# Altium PCB Drive_Foc.PcbDoc (part 2 of 3)
Units mil, origin at the board's own origin, x right, y up, seen from the top; angles counter-clockwise.
Board outline 3109 x 2220 mil, 4 copper layers (Top Layer, GND, PWR, Bottom Layer), stack 23.756 mil thick; 209 components, 159 nets, 774 pads, 692 vias.
Unrouted connection lines stored in the file: 55.
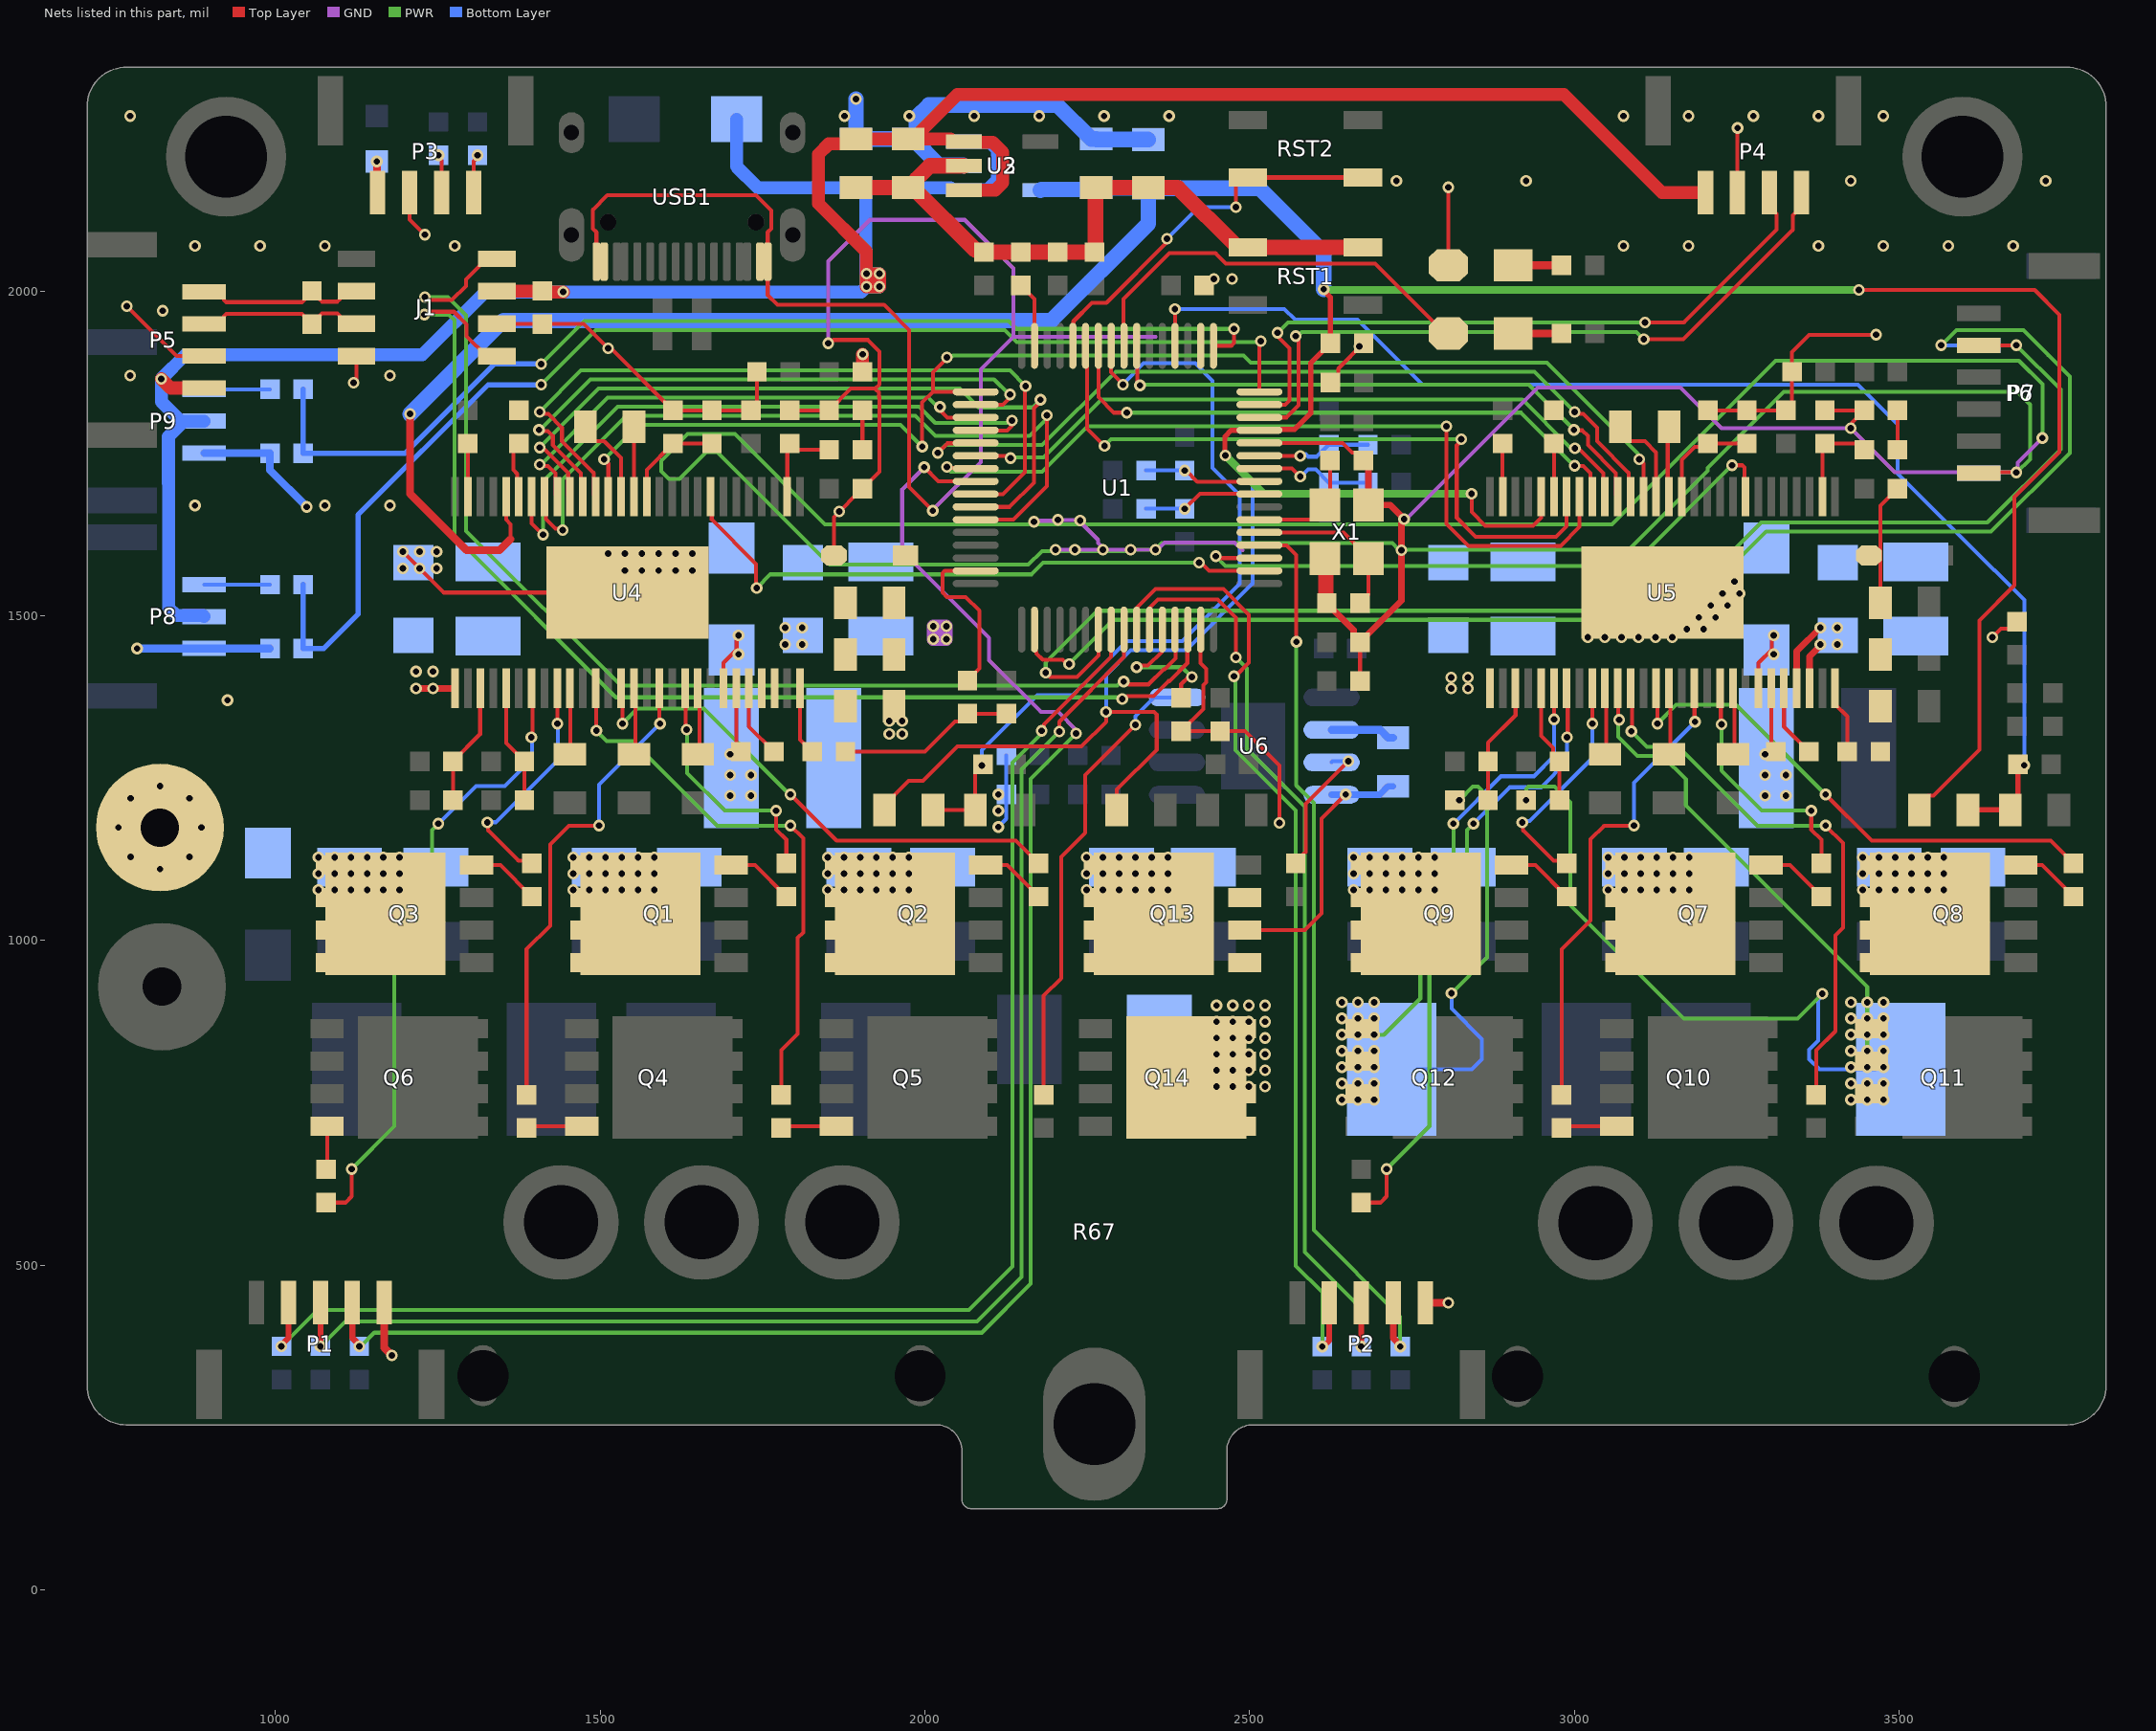
[diagram p4: the nets of this part, all layers, seen from the top]

## Via types
v1: diameter 18, hole 10, Top Layer to Bottom Layer, tented both sides, 692 vias

## Nets (pads, with @x,y where several pads share a name; then routed paths per layer and width w, separated by ;. In a path a pad name is that pad's centre, name@x,y a point inside that pad or via, vN(x,y) a via of type N, cw(c..) or ccw(c..) an arc to the next point about the centre after c; other vN are vias at no path point) (continued)
AVCC3V3: C9.2 C36.2 C37.2 R28.2 R48.2 R66.2 U1.13 U3.5 U4.24 U5.24 | length 6437.8
  Top Layer w6: U4.24@1354.99,1683.64 1354.99,1648.18 1362,1641.17 1362,1618 ; R28.2@1937.52,1201.26 1937.52,1208.76 1952.02,1223.26 1952.41,1223.26 1975.15,1246 1997.13,1246 2050.21,1299.08 2241.12,1299.08 2279,1336.96 v1(2279,1352) 2353,1352 2357,1348 2357,1294 2295.6,1232.6 R66.2@2295.6,1201.26 ; v1(2842,1688) 2842,1659.92 2862.92,1639 2936.64,1639 2948.99,1651.35 U5.24@2948.99,1683.64 ; v1(3438.28,2001.85) 3709.15,2001.85 3747,1964 3747,1752 3678,1683 3678,1547 3624,1493 3624,1293.74 3553.14,1222.88 3546.02,1222.88 3531.52,1208.38 R48.2@3531.52,1201.26
  Top Layer w8: v1(2462.86,1747.04) 2462,1747.9 2462,1776.07 2471.92,1785.99 U1.13@2515.2,1785.99 2516.17,1786.95 2568.95,1786.95 2594,1812 2594,1889.46 C9.2@2624.55,1920 2624.55,1990.45 2614,2001 v1(2614,2003)
  Top Layer w12: v1(1207,1811) 1207,1688 1294,1601 1345,1601 1362,1618
  PWR w12: v1(2462.86,1747.04) 2521.9,1688 v1(2842,1688) ; v1(2614,2003) 2615,2002 3438.14,2002 v1(3438.28,2001.85)
  Bottom Layer w6: v1(2279,1352) 2279,1409.2 2316.8,1447 2402,1447 2505,1550 2505,1704.9 v1(2462.86,1747.04)
  Bottom Layer w24: v1(1207,1811) 1351,1955 2195,1955 2344,2104 C36.2@2344,2158.6 ; U3.5@2178.06,2155.6 2179.23,2156.77 2261.17,2156.77 C37.2@2264,2159.6 2264.5,2159.1 2343.5,2159.1 C36.2@2344,2158.6 ; v1(2614,2003) 2614,2060 2515.4,2158.6 C36.2@2344,2158.6
BOOT0_1: R4.2 U1.60 | length 216.6
  Top Layer w6: v1(2326,1421) 2328.3,1423.3 2343.49,1423.3 2364.64,1444.45 2364.64,1477.95 U1.60@2365.6,1478.91 ; R4.2@2394.56,1373.58 2394.56,1394.56 2406,1406 v1(2411,1406)
  PWR w6: v1(2326,1421) 2395.95,1421 v1(2411,1406)
CAN_1_N: J1.7 P5.2 R9.1 | length 265.3
  Top Layer w6: P5.2@889.99,1949.61 911.65,1949.61 920.46,1958.42 920.46,1961.7 923.97,1965.21 1040.49,1965.21 1044,1961.7 1044,1961.41 R9.1@1056,1949.41 1068,1961.41 1068,1962.48 1071.52,1966 1094.95,1966 1098.46,1962.48 1098.46,1959.8 1108.26,1950 J1.7@1124.46,1950
CAN_1_P: J1.6 P5.1 R9.2 | length 266.9
  Top Layer w6: P5.1@889.99,1998.82 911.65,1998.82 920.46,1990.01 920.46,1986.73 923.97,1983.21 1040.49,1983.21 1044,1986.73 1044,1988.59 R9.2@1056,2000.59 1068,1988.59 1068,1987.51 1071.52,1984 1094.95,1984 1098.46,1987.51 1098.46,1990.2 1108.26,2000 J1.6@1124.46,2000
CAN_T_1_N: J1.1 U1.62 | length 1842.6
  Top Layer w6: v1(1229,1964) 1232.25,1964 1236.75,1968.5 1274.5,1968.5 1294,1949 1294,1930.79 1324.8,1900 J1.1@1341,1900 ; v1(2304,1372) 2307.25,1372 2311.75,1376.5 2351.92,1376.5 2375,1399.58 2376.3,1399.58 2404.13,1427.41 2404.13,1478.06 U1.62@2404.97,1478.91
  PWR w6: v1(1229,1964) 1266.97,1964 1275.49,1955.48 1275.49,1623.38 1524.31,1374.56 2294.49,1374.56 2294.75,1374.3 2301.7,1374.3 v1(2304,1372)
CAN_T_1_P: J1.4 U1.61 | length 1809.3
  Top Layer w6: v1(1230,1991) 1233.25,1991 1237.75,1986.5 1271.5,1986.5 1293,2008 1293,2018.2 1324.8,2050 J1.4@1341,2050 ; v1(2306,1399) 2309.25,1399 2313.75,1394.5 2344.46,1394.5 2367.54,1417.58 2368.84,1417.58 2386.13,1434.87 2386.13,1478.06 U1.61@2385.28,1478.91
  PWR w6: v1(1230,1991) 1265.43,1991 1293.49,1962.94 1293.49,1630.84 1531.77,1392.56 2296.31,1392.56 2302.75,1399 v1(2306,1399)
DCBUS: C20.2 C21.2 C22.2 C23.2 C24.2 C25.2 C26.2 C27.2 C28.2 C29.2 C30.2 C31.2 C32.2 C33.2 C42.1 C43.1 C60.2 C61.2 C65.1 C66.1 C84.2 C85.2 Q1.5 Q1.6 Q1.7 Q1.8 Q2.5 Q2.6 Q2.7 Q2.8 Q3.5 Q3.6 Q3.7 Q3.8 Q7.5 Q7.6 Q7.7 Q7.8 Q8.5 Q8.6 Q8.7 Q8.8 Q9.5 Q9.6 Q9.7 Q9.8 Q13.5 Q13.6 Q13.7 Q13.8 R14.1 SP1.0 TVS1.1 U4.29 U4.53 U4.54 U5.29 U5.53 U5.54 | length 291.9
  Top Layer w6: v1(3644,1467) 3657.12,1480.12 3670.94,1480.12 R14.1@3682,1491.18
  Top Layer w10: v1(1216.37,1388.37) U4.29@1276.25,1388.37 ; U5.53@3342.69,1388.37 3342.69,1445.69 v1(3379,1482) ; U5.54@3362.38,1388.37 3362.38,1437.38 v1@3381,1456
  other v1: 1066,1078 1091,1078 1116,1078 1141,1078 1166,1078 1191,1078 1458.15,1078 1483.15,1078 1508.15,1078 1533.15,1078 1558.15,1078 1583.15,1078 1850.29,1078 1875.29,1078 1900.29,1078 1925.29,1078 1950.29,1078 1975.29,1078 2249.15,1078 2274.15,1078 2299.15,1078 2324.15,1078 2349.15,1078 2374.15,1078 2660,1078 2685,1078 2710,1078 2735,1078 2760,1078 2785,1078 3052.15,1078 3077.15,1078 3102.15,1078 3127.15,1078 3152.15,1078 3177.15,1078 3444.29,1078 3469.29,1078 3494.29,1078 3519.29,1078 3544.29,1078 3569.29,1078 1066,1103 1091,1103 1116,1103 1141,1103 1166,1103 1191,1103 1458.15,1103 1483.15,1103 1508.15,1103 1533.15,1103 1558.15,1103 1583.15,1103 1850.29,1103 1875.29,1103 1900.29,1103 1925.29,1103 1950.29,1103 1975.29,1103 2249.15,1103 2274.15,1103 2299.15,1103 2324.15,1103 2349.15,1103 2374.15,1103 2660,1103 2685,1103 2710,1103 2735,1103 2760,1103 2785,1103 3052.15,1103 3077.15,1103 3102.15,1103 3127.15,1103 3152.15,1103 3177.15,1103 3444.29,1103 3469.29,1103 3494.29,1103 3519.29,1103 3544.29,1103 3569.29,1103 822,1110.02 1066,1128 1091,1128 1116,1128 1141,1128 1166,1128 1191,1128 1458.15,1128 1483.15,1128 1508.15,1128 1533.15,1128 1558.15,1128 1583.15,1128 1850.29,1128 1875.29,1128 1900.29,1128 1925.29,1128 1950.29,1128 1975.29,1128 2249.15,1128 2274.15,1128 2299.15,1128 2324.15,1128 2349.15,1128 2374.15,1128 2660,1128 2685,1128 2710,1128 2735,1128 2760,1128 2785,1128 3052.15,1128 3077.15,1128 3102.15,1128 3127.15,1128 3152.15,1128 3177.15,1128 3444.29,1128 3469.29,1128 3494.29,1128 3519.29,1128 3544.29,1128 3569.29,1128 776.76,1128.76 867.24,1128.76 758.02,1174 885.98,1174 776.76,1219.24 867.24,1219.24 822,1237.98 1242.37,1388.37 2810.37,1388.37 2836.37,1388.37 2810.37,1405 2836.37,1405 1216.37,1414.37 1242.37,1414.37 1785,1456 1811,1456 3379,1456 3405,1456 1785,1482 1811,1482 3405,1482
DRV5V: C4.1 C15.2 C16.2 C34.2 C35.2 C47.2 C48.2 C49.2 D1.1 D3.1 J1.3 L1.2 P4.4 P5.4 P8.2 P9.2 R26.1 U2.1 U2.3 U3.1 U3.3 | length 4714
  Top Layer w20: v1(824,1865) 838,1851 889.81,1851 P5.4@889.99,1851.18 ; J1.3@1341,2000 1341.3,2000.3 1410.7,2000.3 C4.1@1411,2000.59 1412.59,1999 v1(1443,1999) ; R26.1@1903.77,1876 1904,1876.23 v1(1904,1903) ; U2.3@2059.94,2155.68 2108.28,2155.68 2120,2167.39 2120,2214 2104.35,2229.65 2060.77,2229.65 U2.1@2059.94,2230.48 2043.21,2230.48 2039.29,2234.4 C16.2@1981.5,2234.4 ; P4.4@3202.18,2152.01 3134.99,2152.01 2984,2303 2050.1,2303 C16.2@1981.5,2234.4 ; v1(1910,2027) v1(1910,2007) v1(1930,2007) v1(1930,2027) v1(1910,2027) ; v1(1910,2027) 1910,2061 1836,2135 1836,2211 1851.9,2226.9 1886.5,2226.9 C15.2@1894,2234.4 C16.2@1974,2234.4 C16.2@1981.5,2234.4
  GND w20: v1(2013,1464) v1(2033,1464) v1(2033,1484) v1(2013,1484) v1(2013,1464)
  Bottom Layer w20: P8.2@889.99,1499 888.18,1500.81 846.87,1500.81 835.16,1512.53 835.16,1704.88 835,1705.04 835,1776 P9.2@858.79,1799.79 ; P9.2@889.99,1799.79 P9.2@858.79,1799.79 ; D1.1@1709.74,2265 1709.74,2192.26 1742.4,2159.6 C34.2@1894,2159.6 C34.2@1901.5,2159.6 ; v1(1930,2007) v1(1910,2007) ; v1(1930,2027) v1(1910,2027) ; U3.3@2059.94,2230.4 2060.77,2229.57 2100.28,2229.57 2112,2217.86 2112,2172 2096.43,2156.43 2060.77,2156.43 U3.1@2059.94,2155.6 2043.21,2155.6 2039.21,2159.6 C35.2@1974,2159.6 1909,2159.6 C34.2@1901.5,2159.6 ; P9.2@858.79,1799.79 854.21,1799.79 824,1830 v1(824,1865) 861,1902 1226,1902 1323,1999 1902,1999 v1(1910,2007) ; C34.2@1901.5,2159.6 1909,2152.1 1909,2028 v1(1910,2027) ; v1(1910,2007) v1(1910,2027)
  other v1: 1945,1318 1965,1318 1945,1338 1965,1338
DS1_N: Q11.1 Q11.2 Q11.3 R51.2 R61.2 U5.39 | length 1689.4
  Top Layer w6: U5.39@3067.15,1388.42 3067.55,1388.02 3067.55,1341.4 v1(3069,1339.95)
  PWR w6: v1(2925.99,1216) 2925.99,1233.49 2929.51,1237 2969.54,1237 2994,1212.54 2994,1054.54 3168.54,880 3344,880 v1(3382,918) ; v1(3069,1339.95) 3068,1338.95 3068,1313.91 3097.32,1284.6 3135.69,1284.6 3172,1248.28 3172,1208 3451.29,928.71 v1(3451.29,905) v1(3451.29,880) v1(3451.29,855) v1(3451.29,830)
  Bottom Layer w6: v1(3382,918) 3382,914.75 3376,908.75 3376,846 3362,832 3362,817 3377.64,801.36 R61.2@3463.63,801.36
  other v1: 3426.29,755 3451.29,755 3476.29,755 3426.29,780 3451.29,780 3476.29,780 3426.29,805 3451.29,805 3476.29,805 3426.29,830 3476.29,830 3426.29,855 3476.29,855 3426.29,880 3476.29,880 3426.29,905 3476.29,905
DS2_N: Q12.1 Q12.2 Q12.3 R54.2 R62.2 U5.34 | length 1301.4
  Top Layer w6: R54.2@2813.99,1214 R54.2@2815.99,1216 ; U5.34@2968.68,1388.37 2968.84,1388.22 2968.84,1340.84 v1(2968.99,1340.68)
  PWR w6: v1(2692,855) 2707,855 2763,911 2763,1018.8 2814,1069.8 v1(2814,1180) ; v1(2811,919) 2866,974 2866,1222.54 2851.54,1237 2844,1237 v1(2823,1216)
  Bottom Layer w6: R62.2@2758.08,801.36 2842.07,801.36 2858,817.29 2858,848 2811,895 v1(2811,919) ; v1(2814,1180) 2887,1253 2938,1253 2968.99,1283.99 v1(2968.99,1340.68)
  other v1: 2642,755 2667,755 2692,755 2642,780 2667,780 2692,780 2642,805 2667,805 2692,805 2642,830 2667,830 2692,830 2642,855 2667,855 2642,880 2667,880 2692,880 2642,905 2667,905 2692,905
EN_GATE_1: U1.33 U4.16 U5.16 | length 2002.4
  Top Layer w6: v1(1506,1741) 1512.47,1734.53 U4.16@1512.47,1683.64 ; v1(1995.77,1760.7) 1995.77,1828.77 2012.2,1845.2 ; v1(2034,1898) 2034,1897 2012.2,1875.2 2012.2,1845.2 ; U1.33@2078.2,1845.05 2078.05,1845.2 2012.2,1845.2 ; v1(3100,1741) 3106.47,1734.53 U5.16@3106.47,1683.64
  PWR w6: v1(1506,1741) 1559,1794 1962.47,1794 v1(1995.77,1760.7) ; v1(2034,1898) 2036.3,1900.3 2042.81,1900.3 2043.51,1901 2490.62,1901 2501.62,1890 2958,1890 3097.7,1750.3 3097.7,1743.3 v1(3100,1741)
G_HO: R65.1 U6.3 | length 217.1
  Top Layer w6: R65.1@2571,1118.77 2583,1130.77 2583,1133 2586.5,1136.5 2586.5,1210.5 v1(2652,1276)
  Bottom Layer w6: U6.3@2626.31,1274.5 2627.81,1276 v1(2652,1276)
G_HS: C86.1 Q13.1 Q13.2 Q13.3 Q14.5 Q14.6 Q14.7 Q14.8 R67.2 U6.4 | length 428.4
  Top Layer w6: Q13.2@2492.56,1016 2585,1016 2611,1042 2611,1188 v1(2648,1225)
  Bottom Layer w10: U6.4@2626.31,1224.5 U6.4@2647.5,1224.5 ; v1(2648,1225) U6.4@2647.5,1224.5 ; C86.1@2721,1237.6 2713.5,1237.6 2700.4,1224.5 U6.4@2647.5,1224.5
  other v1: 2449,775 2474,775 2499,775 2524,775 2449,800 2474,800 2499,800 2524,800 2449,825 2474,825 2499,825 2524,825 2449,850 2474,850 2499,850 2524,850 2449,875 2474,875 2499,875 2524,875 2449,900 2474,900 2499,900 2524,900
G_LO: R68.1 U6.8 | length 717.8
  Top Layer w6: R68.1@2183,762.41 2183,915 2210,942 2210,1129 2247,1166 2247,1255 v1(2324,1332)
  Bottom Layer w6: v1(2324,1332) 2324,1345.55 2352.95,1374.5 U6.8@2388.31,1374.5
GH0_A: R36.1 U4.47 | length 380.5
  Top Layer w6: U4.47@1630.58,1388.37 1631.76,1387.28 1631.76,1326.24 v1(1633,1325) ; v1(1771,1200) 1771,1170.72 1786.63,1155.08 R36.1@1786.63,1118.77
  PWR w6: v1(1633,1325) 1634,1324 1634,1258 1692,1200 v1(1771,1200)
GH0_B: R37.1 U4.42 | length 804.3
  Top Layer w6: U4.42@1532.16,1388.37 1534.26,1386.36 1534.26,1342.74 1534.14,1342.63 v1(1534.14,1334.05) ; v1(1793,1225) 1864,1154 2139.76,1154 R37.1@2174.99,1118.77
  PWR w6: v1(1534.14,1334.05) 1557.09,1357 1659.75,1357 1791.75,1225 v1(1793,1225)
GH0_C: R38.1 U4.37 | length 360.7
  Top Layer w6: v1(1326,1182) 1327.23,1180.77 1327.23,1169.77 1374,1123 1390.25,1123 R38.1@1394.48,1118.77 ; U4.37@1433.73,1388.37 1433.86,1388.24 1433.86,1334.27 v1(1434,1334.14)
  Bottom Layer w6: v1(1326,1182) 1326.23,1182.23 1339.23,1182.23 1434.86,1277.86 1434.86,1333.27 v1(1434,1334.14)
GH1_A: R55.1 U5.47 | length 379
  Top Layer w6: U5.47@3224.58,1388.37 3225.77,1387.28 3225.77,1334.18 v1(3226.9,1333.05) ; v1(3365,1200) 3365,1170.72 3380.63,1155.08 R55.1@3380.63,1118.77
  PWR w6: v1(3226.9,1333.05) 3226.9,1261.82 3288.72,1200 v1(3365,1200)
GH1_B: R56.1 U5.42 | length 809.3
  Top Layer w6: U5.42@3126.16,1388.37 3128.26,1386.36 3128.26,1342.74 3128.14,1342.63 v1(3128.14,1334.05) ; v1(3387,1225) 3458,1154 3733.76,1154 R56.1@3768.99,1118.77
  PWR w6: v1(3128.14,1334.05) 3157.09,1363 3249,1363 v1(3387,1225)
GH1_C: R57.1 U5.37 | length 357.6
  Top Layer w6: v1(2920,1182) 2921.23,1180.77 2921.23,1169.77 2968,1123 2984.25,1123 R57.1@2988.48,1118.77 ; U5.37@3027.73,1388.37 3027.86,1388.24 3027.86,1334.27 v1(3028,1334.14)
  Bottom Layer w6: v1(2920,1182) 2922.23,1184.23 2931.23,1184.23 3028,1281 v1(3028,1334.14)
GL0_A: R39.1 U4.45 | length 738.4
  Top Layer w6: R39.1@1386.48,762.41 1386.48,986.48 1423,1023 1423,1148 1452,1177 v1(1498,1177) ; U4.45@1591.21,1388.37 1591.21,1334.79 v1(1592,1334)
  Bottom Layer w6: v1(1498,1177) 1498,1240 v1(1592,1334)
GL0_B: R40.1 U4.40 | length 862.2
  Top Layer w6: U4.40@1492.79,1388.37 1494,1387.16 v1(1494,1323.28) ; R40.1@1778.63,762.41 1778.63,830.87 1804,856.24 1804,1004 1812.63,1012.63 1812.63,1157.37 v1(1793,1177)
  PWR w6: v1(1494,1323.28) 1494,1323 1510,1307 1550,1307 1680,1177 v1(1793,1177)
GL0_C: R41.1 U4.35 | length 968.3
  Top Layer w6: R41.1@1078,596.41 1107.41,596.41 1117,606 v1(1117,648) ; v1(1394,1313) 1396,1315 1396,1386.73 U4.35@1394.36,1388.37
  PWR w6: v1(1117,648) 1183,714 1183,1013 1241,1071 1241,1170.24 v1(1250.76,1180)
  Bottom Layer w6: v1(1250.76,1180) 1308.76,1238 1353,1238 1394.99,1279.99 1394.99,1312.01 v1(1394,1313)
GL1_A: R58.1 U5.45 | length 738.4
  Top Layer w6: R58.1@2980.48,762.41 2980.48,986.48 3025,1031 3025,1156 3046,1177 v1(3092,1177) ; U5.45@3185.21,1388.37 3185.21,1337.79 v1(3186,1337)
  Bottom Layer w6: v1(3092,1177) 3092,1243 v1(3186,1337)
GL1_B: R59.1 U5.40 | length 869.6
  Top Layer w6: U5.40@3086.79,1388.37 3089,1386.16 3089,1323.2 v1(3088,1322.2) ; R59.1@3372.63,762.41 3372.63,830.87 3402,860.24 3402,1008 3414,1020 3414,1150 v1(3387,1177)
  PWR w6: v1(3088,1322.2) 3111.6,1298.6 3160.4,1298.6 3282,1177 v1(3387,1177)
GL1_C: R60.1 U5.35 | length 969.8
  Top Layer w6: R60.1@2672,596.41 2701.41,596.41 2711,606 v1(2711,648) ; U5.35@2988.36,1388.37 2990,1386.73 2990,1315 2988.99,1313.99 v1(2988.99,1313)
  PWR w6: v1(2711,648) 2777,714 2777,1013 2835,1071 2835,1170.24 v1(2844.76,1180)
  Bottom Layer w6: v1(2844.76,1180) 2900.76,1236 2949,1236 2988.99,1275.99 v1(2988.99,1313)
GND: C1.2 C2.2 C3.1 C4.2 C5.1 C6.1 C7.1 C8.1 C9.1 C10.1 C11.1 C12.2 C13.2 C15.1 C16.1 C17.1 C18.1 C19.1 C34.1 C35.1 C36.1 C37.1 C38.1 C39.1 C40.1 C41.1 C42.2 C43.2 C47.1 C48.1 C49.1 C52.1 C53.1 C55.1 C60.1 C61.1 C62.1 C63.1 C64.1 C65.2 C66.2 C70.1 C71.1 C72.1 C75.1 C76.1 C78.1 C84.1 C85.1 D2.2 D3.2 D4.2 D5.2 J1.2 J1.8 LED1.2 P1.5 P2.5 P3.3 P4.3 P5.3 P6.6 P7.6 P8.1 P9.1 R4.1 R10.2 R11.2 R16.2 R18.2 R24.2 R25.2 R29.2 R44.2 R45.2 R49.2 RST1.2 U1.12 U1.18 U1.63 U2.2 U3.2 U4.57 U5.57 USB1.A1 USB1.A12 USB1.B1 USB1.B12 X1.2 X1.4 | length 15280
  Top Layer w6: v1(771,1977) 847.61,1900.39 P5.3@889.99,1900.39 ; v1(1120,1859) 1124.46,1863.46 J1.8@1124.46,1900 ; v1(1196,1599) 1259,1536 U4.57@1542,1536 ; P3.3@1206.39,2152.01 1206.39,2110.61 v1(1230,2087) ; J1.2@1341,1950 1410.41,1950 C4.2@1411,1949.41 1474.59,1949.41 v1(1512,1912) 1514.3,1909.7 1518.89,1909.7 C53.1@1612,1816.59 C52.1@1672,1816.59 R29.2@1732,1816.59 1741.41,1826.01 R24.2@1741.41,1876 ; USB1.A12@1494.11,2045.79 1494.11,2090.88 1488.43,2096.56 1488.43,2125.43 1511,2148 1740,2148 1763.57,2124.43 1763.57,2096.56 1757.89,2090.88 USB1.A1@1757.89,2045.79 1757.89,1994.11 1773,1979 1937,1979 1975.77,1940.23 1975.77,1698.23 v1(2012,1662) ; C40.1@1792,1816.59 C39.1@1852.59,1816.59 1886,1850 1923.32,1850 ; v1(1851,1920) 1854.25,1920 1859.25,1925 1912,1925 1929.77,1907.23 1929.77,1856.45 1923.32,1850 ; D3.2@1859.88,1593.09 1859.88,1652.11 R25.2@1903.77,1696 1929.77,1722 1929.77,1775.56 1929.77,1797.04 1929.77,1836.15 1929.23,1836.69 1929.23,1844.1 1925.05,1848.28 1923.32,1850 ; C41.1@1877.59,1291 2000,1291 2046.4,1337.4 2053.44,1337.4 C13.2@2065.44,1349.4 C8.1@2125.44,1349.4 ; U1.63@2424.65,1478.91 2424.65,1427.05 2433,1418.7 2433,1397.59 2428.56,1393.14 2428.56,1356.4 R4.1@2394.56,1322.4 C7.1@2454.56,1322.41 2493,1322.41 2546,1269.4 v1(2546,1181) ; U1.12@2515.2,1766.31 2643.03,1766.31 2657.79,1751.56 2663.14,1751.56 C2.2@2675.14,1739.56 ; C3.1@2624.55,1859.55 2636.55,1871.55 2636.55,1880.82 C9.1@2675.73,1920 ; C10.1@2660.15,1469.56 C10.1@2670.15,1459.56 C11.1@2670.15,1399.56 ; LED1.2@2806,2040 v1(2806,2160) ; C76.1@3206,1816.59 C75.1@3266,1816.59 R49.2@3326,1816.59 3335.41,1826.01 R44.2@3335.41,1876 3335.41,1906.41 3362,1933 v1(3465,1933) ; P4.3@3251.39,2152.01 v1(3251.39,2251.39) ; C63.1@3374,1816.59 C62.1@3446.59,1816.59 3428.05,1798.05 3428.05,1791.48 v1(3425.75,1789.18) ; C71.1@3471.59,1520.06 3471.59,1669.82 R45.2@3497.77,1696 ; P7.6@3623.06,1719.97 3624.09,1721 v1(3680.82,1721)
  Top Layer w10: C1.2@2618.97,1519.56 2660.15,1478.38 C10.1@2660.15,1469.56 ; C10.1@2670.15,1459.56 2734,1523.41 v1(2734,1601) 2734,1642.84 2738,1646.84 v1(2737.99,1648.99) 2716.1,1670.9 X1.4@2683.02,1670.9 2683.02,1731.68 C2.2@2675.14,1739.56
  Top Layer w12: P1.5@1167.43,442.4 1167.43,372.57 v1(1179,361) ; P2.5@2770.48,442.06 v1(2806.06,442.06)
  Top Layer w24: C15.1@1894,2159.6 C16.1@1974,2159.6 C16.1@1981.5,2159.6 ; U2.2@2059.94,2193.08 2007.49,2193.08 1987,2172.6 1987,2165.1 C16.1@1981.5,2159.6 ; X1.2@2616.09,1588.22 2617.53,1586.78 2617.53,1521 C1.2@2618.97,1519.56 ; RST1.2@2674.58,2067.54 RST1.2@2497.42,2067.54 2495.64,2069.32 2479.89,2069.32 2389.61,2159.6 C18.1@2344,2159.6 C17.1@2264,2159.6 2262.5,2158.1 2262.5,2061.65 R11.2@2261,2060.15 R10.2@2204.33,2060.15 C5.1@2091,2060.15 2088,2063.15 2077.95,2063.15 C16.1@1981.5,2159.6
  GND w6: v1(1851,1920) 1851,2046 1915,2110 2061,2110 2136,2035 2136,1930 ; v1(2012,1662) 2012,1663 2086,1737 2086,1880 2136,1930 ; v1(2168,1645) 2169.5,1646.5 2203.5,1646.5 v1(2205,1648) ; v1(2201,1602) v1(2231,1602) v1(2274,1602) ; v1@2205,1645 2207.5,1647.5 2238.5,1647.5 v1(2239,1647) ; v1@2239,1645 2267,1617 2267,1612.25 2274,1605.25 v1(2274,1602) ; 2355,1930 2136,1930 ; 2489,1601 2477,1613 2369.25,1613 2358.25,1602 v1(2355,1602) v1(2317,1602) v1(2274,1602) ; v1(2734,1601) 2736,1603 2736,1647 v1(2737.99,1648.99) 2740.99,1648.99 2944,1852 3163.84,1852 3226.66,1789.18 v1(3425.75,1789.18) 3493.93,1721 v1(3680.82,1721) 3683.11,1723.3 3683.11,1736.11 v1(3721,1774)
  PWR w6: v1(2168,1645) v1@2168,1641 ; v1(2205,1648) v1@2205,1641 ; v1(2239,1647) v1@2239,1641 ; v1(3680.82,1721) 3681.85,1721 3702,1741.15 3702,1825.5 3682.5,1845 3322.72,1845 3205.53,1727.81 3205.53,1723.72 3083.81,1602 2729.75,1602 2719.75,1612 2365,1612 v1(2355,1602) 2331,1602 2330.73,1601.73 2318.73,1601.73 2317,1600 2274,1600 2231,1600 2201,1600 2180.28,1600 2159.28,1579 1853.28,1579 1680.28,1752 1663.28,1752 1622.28,1711 1605.72,1711 1594,1722.72 1594,1739.28 1634.72,1780 1707.2,1780 1846.2,1641 v1@2168,1641 ; v1(3721,1774) 3721,1856.84 3684.84,1893 3310,1893 3058,1641 v1@2239,1641 ; v1@2168,1641 v1@2205,1641 ; v1@2205,1641 v1@2239,1641
  Bottom Layer w6: v1(2113,1175) 2125.41,1187.41 R16.2@2125.41,1225 R18.2@2125.41,1285 ; P6.6@3623.06,1719.97 3624.09,1721 v1(3680.82,1721)
  Bottom Layer w12: v1(786.79,1449.79) P8.1@889.99,1449.79 C19.1@991.41,1449.79 ; P9.1@889.99,1750.57 C38.1@991.41,1750.57 ; C38.1@991.41,1750.57 991.41,1724.59 v1(1048,1668)
  Bottom Layer w24: v1(1894,2296) C34.1@1894,2234.4 C35.1@1974,2234.4 C35.1@1981.5,2234.4 ; U3.2@2059.94,2193 2058.77,2194.17 2021.73,2194.17 C35.1@1981.5,2234.4 ; C36.1@2344,2233.4 2343.5,2233.9 2264.5,2233.9 C37.1@2264,2234.4 2256.5,2234.4 2203.91,2287 2006,2287 1987,2268 1987,2239.9 C35.1@1981.5,2234.4
  other v1: 2113,1200 2113,1225 926,1370 3021,1467 3047,1467 3073,1467 3099,1467 3125,1467 3151,1467 3173.38,1479.38 3199.38,1479.38 3191.77,1497.77 3217.77,1497.77 3210.15,1516.15 3236.15,1516.15 3228.54,1534.54 3254.54,1534.54 3246.92,1552.92 1538,1570 1564,1570 1590,1570 1616,1570 1642,1570 1196,1573 1222,1573 1248,1573 1512,1596 1538,1596 1564,1596 1590,1596 1616,1596 1642,1596 1222,1599 1248,1599 1868,1661 876,1670 1076,1670 1176,1670 776,1870 1176,1870 2669,1915 826,1970 2445,2019 2473,2019 876,2070 976,2070 1076,2070 1276,2070 3076,2070 3176,2070 3376,2070 3476,2070 3576,2070 3676,2070 2726,2170 2926,2170 3426,2170 3726,2170 776,2270 1876,2270 1976,2270 2076,2270 2176,2270 2276,2270 2376,2270 3076,2270 3176,2270 3276,2270 3376,2270 3476,2270
GPIO_1_FLT_1: P4.1 U1.14 | length 1082.1
  Top Layer w6: U1.14@2515.2,1805.68 2557.08,1805.68 2575.55,1824.15 2575.55,1926.45 v1(2571,1931) ; v1(3107,1926) 3168,1926 3336.54,2094.54 3336.54,2117.07 3349.82,2130.35 P4.1@3349.82,2152.01
  PWR w6: v1(2571,1931) 2574.25,1931 2580.25,1937 3095.49,1937 3106.49,1926 v1(3107,1926)
GPIO_2_FLT_1: P4.2 U1.15 | length 1057.2
  Top Layer w6: U1.15@2515.2,1825.36 2554.84,1825.36 2561.55,1832.07 2561.55,1912.16 2543,1930.72 v1(2543,1936) ; v1(3109,1952) 3169,1952 3311.82,2094.82 3311.82,2119.14 3300.61,2130.35 P4.2@3300.61,2152.01
  PWR w6: v1(2543,1936) 2559,1952 v1(3109,1952)
GPIO_3_1: C19.2 R20.1 U1.16 | length 1952.6
  Top Layer w6: U1.16@2515.2,1845.05 2515.2,1920.79 v1(2517.42,1923)
  PWR w6: v1(1409,1856) 1493,1940 2123.2,1940 2141.2,1922 2516.42,1922 v1(2517.42,1923)
  Bottom Layer w8: R20.1@1042.59,1548.21 C19.2@1042.59,1449.79 1074.21,1449.79 1127,1502.58 1127,1655.43 1327.57,1856 v1(1409,1856)
GPIO_4_1: C38.2 R21.1 U1.17 | length 1676.4
  Top Layer w6: U1.17@2444.34,1915.91 2471.91,1915.91 2476,1920 v1(2476,1942)
  PWR w6: v1(1409,1888) 1475,1954 2129,1954 2141,1942 v1(2476,1942)
  Bottom Layer w8: R21.1@1042.59,1849 C38.2@1042.59,1750.57 1199.52,1750.57 1336.94,1888 v1(1409,1888)
GPIO_5_1: LED2.2 U1.24 | length 652.7
  Top Layer w6: U1.24@2306.54,1915.91 2306,1916.45 2306,1988 2376.5,2058.5 2447.59,2058.5 2463.33,2042.76 2693.24,2042.76 2801,1935 LED2.2@2806,1935
GPIO_6_FLT_1: RST2.2 U1.28 | length 599.4
  Top Layer w6: U1.28@2227.8,1915.91 2228.77,1916.87 2228.77,1953.77 2257,1982 2279.59,1982 2373,2075.41 v1(2373,2081) ; v1(2479,2129.6) 2479,2164.37 2489.78,2175.15 RST2.2@2497.42,2175.15
  Top Layer w8: RST2.2@2497.42,2175.15 RST2.2@2674.58,2175.15
  Bottom Layer w6: v1(2373,2081) 2421.6,2129.6 v1(2479,2129.6)
GPIO_7_FLT_1: P6.2 U1.50 | length 2182.8
  Top Layer w6: U1.50@2168.75,1478.91 2168.75,1447.71 2171.92,1444.54 2171.92,1442.23 2181.59,1432.56 2212.19,1432.56 2218.75,1426 v1(2222,1426)
  PWR w6: v1(2222,1426) 2290,1494 3159.72,1494 3295.72,1630 3642,1630 3763,1751 3763,1868.8 3729.58,1902.22 3691.8,1940 3588.47,1940 v1(3565.29,1916.82)
  Bottom Layer w6: v1(3565.29,1916.82) P6.2@3623.06,1916.82
GPIO_8_FLT_1: P7.2 U1.55 | length 2098.4
  Top Layer w6: v1(2186,1412.56) 2186,1412 2192,1406 2234,1406 2267.17,1439.17 U1.55@2267.17,1478.91 ; P7.2@3623.06,1916.82 v1(3680.82,1916.82)
  PWR w6: v1(2186,1412.56) 2186,1428 2266,1508 3152.2,1508 3288.2,1644 3636.2,1644 3749,1756.8 3749,1848.64 v1(3680.82,1916.82)
M0_AH_1: U1.41 U4.17 | length 1179.6
  Top Layer w6: v1(1406.68,1814.27) 1409.68,1811.27 1419.73,1811.27 1441,1790 1441,1769.14 1490.01,1720.14 1490.01,1686.42 U4.17@1492.79,1683.64 ; U1.41@2078.2,1687.57 2120.08,1687.57 2154,1721.49 2154,1853 v1(2155,1854)
  PWR w6: v1(1406.68,1814.27) 1470.41,1878 2131,1878 v1(2155,1854)
M0_AL_1: U1.34 U4.18 | length 967.2
  Top Layer w6: v1(1405.56,1786.49) 1407.12,1784.92 1419.08,1784.92 1427,1777 1427,1763.34 1470.33,1720.02 1470.33,1686.41 U4.18@1473.1,1683.64 ; U1.34@2078.2,1825.36 2120.36,1825.36 2131,1836 v1(2131,1841.09)
  PWR w6: v1(1405.56,1786.49) 1407.23,1788.16 1408.86,1788.16 1484.7,1864 2106.45,1864 2129.36,1841.09 v1(2131,1841.09)
M0_BH_1: U1.42 U4.19 | length 1160.7
  Top Layer w6: v1(1406.68,1759.32) 1408,1758 1412.55,1758 1450.64,1719.91 1450.64,1686.42 U4.19@1453.42,1683.64 ; U1.42@2078.2,1667.88 2130.68,1667.88 2168,1705.2 2168,1819.75 2178,1829.75 v1(2178,1833)
  PWR w6: v1(1406.68,1759.32) 1497.35,1850 2054,1850 2082.91,1821.09 2166.09,1821.09 v1(2178,1833)
M0_BL_1: U1.35 U4.20 | length 796.8
  Top Layer w6: v1(1406.79,1733) 1408.64,1731.15 1419.6,1731.15 1430.96,1719.79 1430.96,1686.41 U4.20@1433.73,1683.64 ; v1(2023.29,1822) 2023.29,1816.71 2034.48,1805.52 2078.04,1805.52 U1.35@2078.2,1805.68
  PWR w6: v1(1406.79,1733) 1408.64,1733 1511.64,1836 2005.28,1836 2019.28,1822 v1(2023.29,1822)
M0_CH_1: U1.43 U4.21 | length 1202.2
  Top Layer w6: U4.21@1414.05,1683.64 1416.42,1681.27 1416.42,1648.86 1430.99,1634.3 1439.7,1634.3 v1(1442,1632) ; U1.43@2078.2,1648.2 2136.2,1648.2 2188,1700 v1(2188,1809)
  PWR w6: v1(1442,1632) 1442,1710 1540,1808 1985,1808 2016,1777 2161,1777 2188.01,1804.01 v1(2188,1809)
M0_CL_1: U1.36 U4.22 | length 996.6
  Top Layer w6: U4.22@1394.36,1683.64 1394.36,1642.64 v1(1412,1625) ; U1.36@2078.2,1785.99 2078.52,1785.67 2126.67,1785.67 2134,1793 v1(2134,1801)
  PWR w6: v1(1412,1625) 1412,1707 1527,1822 1990.8,1822 2015.8,1797 2126.75,1797 2130.75,1801 v1(2134,1801)
M0_ENC_A_1: P1.2 R1.2 U1.56 | length 2292.6
  Top Layer w6: v1(2179.86,1323.14) 2183.3,1326.58 2183.3,1333.09 2286.86,1436.66 U1.56@2286.86,1478.91
  Top Layer w9: v1(1009,375) 1009,377.44 1019.79,388.23 P1.2@1019.79,442.4
  PWR w6: v1(1009,375) 1065,431 2068,431 2135,498 2135,1274 2179.86,1318.86 v1(2179.86,1323.14)
M0_ENC_B_1: P1.3 R2.2 U1.57 | length 2253.9
  Top Layer w6: v1(2207,1322) 2207,1337 2306.54,1436.54 U1.57@2306.54,1478.91
  Top Layer w9: v1(1069,375) P1.3@1069,442.4
  PWR w6: v1(1069,375) 1107.5,413.5 2080.5,413.5 2149,482 2149,1264 v1(2207,1322)
M0_ENC_Z_1: P1.4 R3.2 U1.40 | length 2661.4
  Top Layer w6: v1(1999,1729) 2020.75,1707.25 U1.40@2078.2,1707.25
  Top Layer w10: P1.4@1118.21,442.4 1118.21,387.95 1129,377.16 v1(1129,375)
  GND w6: v1(1999,1729) 1965,1695 1965,1600 2099,1466 2099,1431.68 2178.68,1352 2205.28,1352 2233.03,1324.25 2232.84,1324.05 v1(2232.84,1319.08)
  PWR w6: v1(1129,375) 1131.16,375 1152.16,396 2087.75,396 2163,471.25 2163,1249.25 v1(2232.84,1319.08)
M0_nCS_1: U1.2 U4.8 | length 965.4
  Top Layer w6: U4.8@1669.95,1683.64 1671.73,1681.86 1671.73,1648.27 1740,1580 1740,1544.02 v1(1740.98,1543.04) ; v1(2422,1581.82) 2425.25,1581.82 2437.61,1569.46 U1.2@2515.2,1569.46
  PWR w6: v1(1740.98,1543.04) v1(1740.98,1543.04) 1762,1564 2164.08,1564 2181.9,1581.82 v1(2422,1581.82)
M0_SO_1_N: C57.2 R32.1 U1.8 | length 184.7
  Top Layer w6: v1(2400,1665) 2423.41,1688.41 2514.36,1688.41 U1.8@2515.2,1687.57
  Bottom Layer w6: R32.1@2340.59,1665 2390,1665 v1(2400,1665)
M0_SO_1_P: R33.1 R35.2 U1.9 | length 182.2
  Top Layer w6: v1(2400,1724) 2402,1724 2419.59,1706.41 2514.36,1706.41 U1.9@2515.2,1707.25
  Bottom Layer w6: R33.1@2340.59,1724 2390,1724 v1(2400,1724)
M0_TEMP_1: C45.1 R28.1 R30.2 U1.25 | length 1227.5
  Top Layer w6: R28.1@2012.33,1201.26 R30.2@2077.53,1201.26 2077.53,1259.45 v1(2087.71,1269.63) C45.1@2089.34,1271.26 ; U1.25@2286.86,1915.91 2286.86,1875.14 2305,1857 v1(2305,1856)
  Bottom Layer w6: v1(2087.71,1269.63) 2087.71,1292.85 2172.86,1378 2228,1378 2311,1461 2396.2,1461 2485,1549.8 2485,1686 2442.86,1728.14 2442.86,1862.14 2416,1889 2337,1889 2305,1857 v1(2305,1856)
M1_AH_1: U1.37 U5.17 | length 1294.8
  Top Layer w6: v1(2019.94,1751.12) 2020.12,1751.12 2034.83,1765.83 2077.73,1765.83 U1.37@2078.2,1766.31 ; v1(3000.68,1814.27) 3003.68,1811.27 3013.73,1811.27 3035,1790 3035,1769.14 3084.01,1720.14 3084.01,1686.42 U5.17@3086.79,1683.64
  PWR w6: v1(2019.94,1751.12) 2020.12,1751.12 2032,1763 2180.72,1763 2293.72,1876 2938.95,1876 v1(3000.68,1814.27)
M1_AL_1: U1.23 U5.18 | length 898.3
  Top Layer w6: U1.23@2326.23,1915.91 2327.2,1914.95 2327.2,1859.51 2331.28,1855.43 v1(2331.28,1855) ; v1(2999.56,1786.49) 3000.31,1785.74 3012.26,1785.74 3021,1777 3021,1763.34 3064.33,1720.02 3064.33,1686.41 U5.18@3067.1,1683.64
  PWR w6: v1(2331.28,1855) 2332.28,1856 2930.04,1856 v1(2999.56,1786.49)
M1_BH_1: U1.38 U5.19 | length 1089.5
  Top Layer w6: U1.38@2078.2,1746.62 2078.32,1746.5 2125.25,1746.5 2128.75,1743 v1(2132,1743) ; v1(3000.96,1758.32) 3003.54,1755.74 3008.81,1755.74 3044.64,1719.91 3044.64,1686.42 U5.19@3047.42,1683.64
  PWR w6: v1(2132,1743) 2133,1744 2182.8,1744 2271.8,1833 2920,1833 2992.67,1760.33 2998.38,1760.33 3000.4,1758.32 v1(3000.96,1758.32)
M1_BL_1: U1.26 U5.20 | length 922.6
  Top Layer w6: U1.26@2267.17,1915.91 2267.17,1836.83 2291,1813 v1(2311.08,1813) ; v1(3000.79,1731.15) 3013.6,1731.15 3024.96,1719.79 3024.96,1686.41 U5.20@3027.73,1683.64
  PWR w6: v1(2311.08,1813) 2918,1813 2999.85,1731.15 v1(3000.79,1731.15)
M1_CH_1: U1.39 U5.21 | length 1274.6
  Top Layer w6: v1(2034,1729.25) 2035.35,1727.9 2077.24,1727.9 U1.39@2078.2,1726.94 ; v1(2803,1792) 2803,1642 2837,1608 2979,1608 3008.05,1637.05 U5.21@3008.05,1683.64
  PWR w6: v1(2034,1729.25) 2034,1728 2040,1722 2180.6,1722 2250.6,1792 v1(2803,1792)
M1_CL_1: U1.27 U5.22 | length 1077.2
  Top Layer w6: U1.27@2247.49,1915.91 2247.49,1884.71 2250,1882.2 2250,1788.33 v1(2276.61,1761.72) ; v1(2826,1772) 2826,1769.49 2819,1762.49 2819,1651 2848,1622 2972,1622 2988.36,1638.36 U5.22@2988.36,1683.64
  PWR w6: v1(2276.61,1761.72) 2286.88,1772 v1(2826,1772)
M1_ENC_A_1: P2.2 R5.2 U1.58 | length 1502.1
  Top Layer w6: U1.58@2326.23,1478.91 2327.2,1479.87 2327.2,1513.49 2355.17,1541.46 2459.54,1541.46 2499,1502 2499,1427.72 2478.28,1407 v1(2476,1407)
  Top Layer w9: v1(2612,374.65) 2613.65,374.65 2622.84,383.84 P2.2@2622.84,442.06
  PWR w6: v1(2476,1407) 2478,1405 2478,1293.4 2571,1200.4 2571,499 2612,458 v1(2612,374.65)
M1_ENC_B_1: P2.3 R6.2 U1.59 | length 1453.6
  Top Layer w6: U1.59@2345.91,1478.91 2346.88,1479.87 2346.88,1513.37 2358.76,1525.26 2451.18,1525.26 2479,1497.44 v1(2479,1436)
  Top Layer w9: v1(2672.06,374.65) P2.3@2672.06,442.06
  PWR w6: v1(2479,1436) 2496,1419 2496,1295.2 2585,1206.2 2585,520 2672.06,432.94 v1(2672.06,374.65)
M1_ENC_Z_1: P2.4 R7.2 U1.4 | length 1420.4
  Top Layer w6: U1.4@2515.2,1608.83 2557.08,1608.83 2572,1593.91 v1(2572,1460)
  Top Layer w10: P2.4@2721.27,442.06 2721.27,387.54 2732,376.82 v1(2732,374.65)
  PWR w6: v1(2572,1460) 2572,1239 2599,1212 2599,554 2732,421 v1(2732,374.65)
M1_nCS_1: U1.3 U5.8 | length 1000.1
  Top Layer w6: v1(2448,1592) 2451,1589 2515.06,1589 U1.3@2515.2,1589.14 ; v1(3243,1732) 3258.68,1732 3262.19,1728.49 3262.19,1685.4 U5.8@3263.95,1683.64
  PWR w6: v1(2448,1592) 2463,1577 3088,1577 v1(3243,1732)
M1_SO_1_N: C80.2 R52.1 U1.11 | length 178.1
  Top Layer w6: U1.11@2515.2,1746.62 2576.34,1746.62 2576.65,1746.31 v1(2578,1746.31)
  Bottom Layer w6: v1(2578,1746.31) 2580.3,1748.6 2585.27,1748.6 2586.22,1749.55 2590.51,1745.25 2603.59,1745.25 C80.2@2622,1763.66 R52.1@2682.41,1763.66
M1_SO_1_P: C81.2 R53.1 U1.10 | length 185.3
  Top Layer w6: U1.10@2515.2,1726.94 2564.94,1726.94 2577.38,1714.5 v1(2578,1714.5)
  Bottom Layer w6: v1(2578,1714.5) 2579.52,1714.5 2590.51,1725.5 2601.84,1725.5 C81.2@2622,1705.33 R53.1@2682.41,1705.33
M1_TEMP_1: C68.1 R48.1 R50.2 U1.20 | length 1999.9
  Top Layer w6: v1(2384.97,1972.59) 2385.28,1972.28 U1.20@2385.28,1915.91
  Top Layer w8: R48.1@3606.33,1201.26 R50.2@3671.53,1201.26 3683.34,1213.07 C68.1@3683.34,1271.26 3684.59,1270 v1(3693,1270)
  Bottom Layer w6: v1(2384.97,1972.59) 2553.41,1972.59 2570,1956 2666.2,1956 2766.2,1856 3437,1856 3498,1795 3498,1719.14 3646.69,1570.45 3647.39,1570.45 3693,1524.84 v1(3693,1270)
NetC1_1: C1.1 U1.5 X1.3 | length 259.6
  Top Layer w6: U1.5@2515.2,1628.51 2644.7,1628.51 2683.02,1590.19 X1.3@2683.02,1588.22 2683.02,1532.43 C1.1@2670.15,1519.56
NetC2_1: C2.1 U1.6 X1.1 | length 185.3
  Top Layer w6: U1.6@2515.2,1648.2 2595.36,1648.2 X1.1@2616.09,1668.93 ; X1.1@2616.09,1670.9 X1.1@2616.09,1668.93 ; C2.1@2623.96,1739.56 2623.96,1676.8 X1.1@2616.09,1668.93
NetC12_1: C12.1 U1.31 | length 101.8
  Top Layer w6: C12.1@2147.67,2008.96 2168.75,1987.88 U1.31@2168.75,1915.91
NetC13_1: C13.1 U1.47 | length 266.3
  Top Layer w6: C13.1@2065.44,1400.58 2084,1419.14 2084,1508 2062.91,1529.09 2033.91,1529.09 2027,1536 2027,1565.94 2030.51,1569.46 U1.47@2078.2,1569.46
NetC39_2: C39.2 R27.2 | length 60.6
  Top Layer w6: R27.2@1903.77,1756 C39.2@1903.77,1816.59
NetC40_2: C40.2 R27.1 U4.2 | length 147.9
  Top Layer w6: U4.2@1788.06,1683.64 1788.06,1761.48 C40.2@1792,1765.41 1801.41,1756 R27.1@1852.59,1756
NetC41_2: C41.2 U4.56 | length 105.1
  Top Layer w6: U4.56@1807.75,1388.37 1807.75,1309.67 C41.2@1826.41,1291
NetC44_1: C44.1 D2.1 L1.1 U4.50 U4.51 | length 190.4
  Top Layer w6: U4.50@1689.64,1388.37 1689.64,1427.64 1710,1448 v1@1710,1470 ; U4.51@1709.32,1388.37 1709.32,1298.09 C44.1@1716.41,1291
  other v1: 1700,1223 1732,1223 1700,1255 1732,1255 1700,1287 1713,1441 1713,1470
NetC44_2: C44.2 U4.52 | length 113.3
  Top Layer w6: U4.52@1729.01,1388.37 1729.01,1329.58 C44.2@1767.59,1291
NetC46_1: C46.1 U4.48 | length 103.6
  Top Layer w6: C46.1@1650.27,1287.07 1653,1289.8 1653,1385.64 U4.48@1650.27,1388.37
NetC50_1: C50.1 U4.14 | length 107.4
  Top Layer w6: U4.14@1551.84,1683.64 1551.84,1790.84 C50.1@1552,1791
NetC50_2: C50.2 U4.15 | length 138.4
  Top Layer w6: C50.2@1477.2,1791 1477.2,1783.89 1491.7,1769.39 1505.89,1769.39 1532.16,1743.12 U4.15@1532.16,1683.64
NetC51_1: C51.1 U4.43 | length 103.2
  Top Layer w6: C51.1@1551.84,1287.07 1554.14,1289.37 1554.14,1386.07 U4.43@1551.84,1388.37
NetC52_2: C52.2 C53.2 U4.13 | length 158.5
  Top Layer w6: U4.13@1571.53,1683.64 1571.53,1724.95 C53.2@1612,1765.41 C52.2@1672,1765.41
NetC54_1: C54.1 U4.38 | length 101.8
  Top Layer w6: C54.1@1453.42,1287.07 1454,1287.65 1454,1387.79 U4.38@1453.42,1388.37
NetC55_2: C55.2 U4.23 | length 89
  Top Layer w6: U4.23@1374.68,1683.64 1372,1686.32 1372,1718.72 1366,1724.72 1366,1756.73 C55.2@1374.68,1765.41
NetC56_2: C56.2 R31.1 U4.33 | length 184
  Top Layer w6: U4.33@1354.99,1388.37 1354.99,1304.19 C56.2@1383.18,1276 R31.1@1383.18,1216
NetC58_2: C58.2 U4.27 | length 81.8
  Top Layer w6: U4.27@1295.94,1683.64 C58.2@1295.94,1765.41
NetC59_2: C59.2 R34.1 U4.31 | length 189.9
  Top Layer w6: R34.1@1273.17,1216 C59.2@1273.17,1276 1315,1317.83 1315,1387.75 U4.31@1315.62,1388.37
NetC62_2: C62.2 R47.2 | length 60.6
  Top Layer w6: R47.2@3497.77,1756 C62.2@3497.77,1816.59
NetC63_2: C63.2 R47.1 U5.2 | length 147.9
  Top Layer w6: U5.2@3382.06,1683.64 3382.06,1761.48 C63.2@3386,1765.41 3437.17,1765.41 R47.1@3446.59,1756
NetC64_2: C64.2 U5.56 | length 105.1
  Top Layer w6: U5.56@3401.75,1388.37 3401.75,1363.76 3420.41,1345.1 C64.2@3420.41,1291
NetC67_1: C67.1 D4.1 L2.1 U5.50 U5.51 | length 190.4
  Top Layer w6: U5.50@3283.64,1388.37 3283.64,1427.64 3304,1448 v1@3304,1470 ; U5.51@3303.32,1388.37 3303.32,1298.09 C67.1@3310.41,1291
  other v1: 3294,1223 3326,1223 3294,1255 3326,1255 3294,1287 3307,1441 3307,1470
NetC67_2: C67.2 U5.52 | length 113.3
  Top Layer w6: U5.52@3323.01,1388.37 3323.01,1329.58 C67.2@3361.59,1291
NetC69_1: C69.1 U5.48 | length 103.6
  Top Layer w6: C69.1@3244.27,1287.07 3247,1289.8 3247,1385.64 U5.48@3244.27,1388.37
NetC73_1: C73.1 U5.14 | length 109
  Top Layer w6: U5.14@3145.84,1683.64 3144,1685.48 3144,1789 C73.1@3146,1791
NetC73_2: C73.2 U5.15 | length 143.8
  Top Layer w6: C73.2@3071.2,1791 3071.2,1783.5 3085.7,1769 3109,1769 3126.16,1751.84 U5.15@3126.16,1683.64
NetC74_1: C74.1 U5.43 | length 103.2
  Top Layer w6: C74.1@3145.84,1287.07 3148.14,1289.37 3148.14,1386.07 U5.43@3145.84,1388.37
NetC75_2: C75.2 C76.2 U5.13 | length 167.7
  Top Layer w6: U5.13@3165.53,1683.64 3165.53,1740.53 3185.51,1760.51 3201.1,1760.51 C76.2@3206,1765.41 C75.2@3266,1765.41
NetC77_1: C77.1 U5.38 | length 102.6
  Top Layer w6: C77.1@3047.42,1287.07 3049,1288.65 3049,1386.79 U5.38@3047.42,1388.37
NetC78_2: C78.2 U5.23 | length 81.8
  Top Layer w6: U5.23@2968.68,1683.64 C78.2@2968.68,1765.41
NetC79_2: C79.2 R51.1 U5.33 | length 184
  Top Layer w6: U5.33@2948.99,1388.37 2948.99,1315.01 2967.51,1296.49 2967.51,1285.67 C79.2@2977.18,1276 R51.1@2977.18,1216
NetC82_2: C82.2 U5.27 | length 82.3
  Top Layer w6: U5.27@2889.94,1683.64 2889.31,1684.27 2889.31,1764.78 C82.2@2889.94,1765.41
NetC83_2: C83.2 R54.1 U5.31 | length 189.9
  Top Layer w6: R54.1@2867.18,1216 C83.2@2867.17,1276 2867.17,1304.6 2909.62,1347.04 U5.31@2909.62,1388.37
NetC86_2: C86.2 U6.2 | length 99.7
  Bottom Layer w12: U6.2@2626.31,1324.5 2701.4,1324.5 2713.5,1312.4 C86.2@2721,1312.4
NetF1_1: F1.1 P3.4 | length 48.5
  Top Layer w6: P3.4@1156,2153.19 P3.4@1157.18,2152.01
  Top Layer w12: P3.4@1156,2153.19 v1(1156,2200)
NetLED1_1: LED1.1 R17.2 | length 74.4
  Top Layer w12: LED1.1@2906,2040 R17.2@2980.41,2040
NetLED2_1: LED2.1 R19.2 | length 74.4
  Top Layer w12: LED2.1@2906,1935 R19.2@2980.41,1935
NetP3_1: P3.1 R12.1 | length 60
  Top Layer w6: P3.1@1304.82,2152.01 1304.82,2199.98 1311,2206.16 v1(1311,2209.41)
NetP3_2: P3.2 R13.1 | length 59.3
  Top Layer w6: v1(1251,2209.41) 1251,2206.16 1255.61,2201.55 P3.2@1255.61,2152.01
NetP8_3: P8.3 R20.2 | length 101.4
  Bottom Layer w6: P8.3@889.99,1548.21 R20.2@991.41,1548.21
NetP9_3: P9.3 R21.2 | length 101.4
  Bottom Layer w6: P9.3@889.99,1849 R21.2@991.41,1849
NetQ1_4: Q1.4 R36.2 | length 105.1
  Top Layer w6: Q1.4@1701.56,1116 1738.22,1116 R36.2@1786.63,1067.59
NetQ2_4: Q2.4 R37.2 | length 101.3
  Top Layer w6: Q2.4@2093.7,1116 2126.58,1116 R37.2@2174.99,1067.59
NetQ3_4: Q3.4 R38.2 | length 105.1
  Top Layer w6: Q3.4@1309.41,1116 1346.07,1116 R38.2@1394.48,1067.59
NetQ4_4: Q4.4 R39.2 | length 86.2
  Top Layer w6: R39.2@1386.48,711.23 1389.25,714 Q4.4@1471.56,714
NetQ5_4: Q5.4 R40.2 | length 86.2
  Top Layer w6: R40.2@1778.63,711.23 1781.4,714 Q5.4@1863.7,714
NetQ6_4: Q6.4 R41.2 | length 67
  Top Layer w6: R41.2@1078,647.59 1079.41,648.99 Q6.4@1079.41,714
NetQ7_4: Q7.4 R55.2 | length 105.1
  Top Layer w6: Q7.4@3295.56,1116 3332.22,1116 R55.2@3380.63,1067.59
NetQ8_4: Q8.4 R56.2 | length 101.3
  Top Layer w6: Q8.4@3687.7,1116 3720.58,1116 R56.2@3768.99,1067.59
NetQ9_4: Q9.4 R57.2 | length 105.1
  Top Layer w6: Q9.4@2903.41,1116 2940.07,1116 R57.2@2988.48,1067.59
NetQ10_4: Q10.4 R58.2 | length 86.2
  Top Layer w6: R58.2@2980.48,711.23 2983.25,714 Q10.4@3065.56,714